# Altium PCB Minion.PcbDoc (part 7 of 10)
Units mm, origin at the board's own origin, x right, y up, seen from the top; angles counter-clockwise.
Board outline 250 x 250 mm, 4 copper layers (Top Layer, Mid-Top Layer, Mid-Bottom Layer, Bottom Layer); 557 components, 153 nets, 5229 pads, 7984 vias.
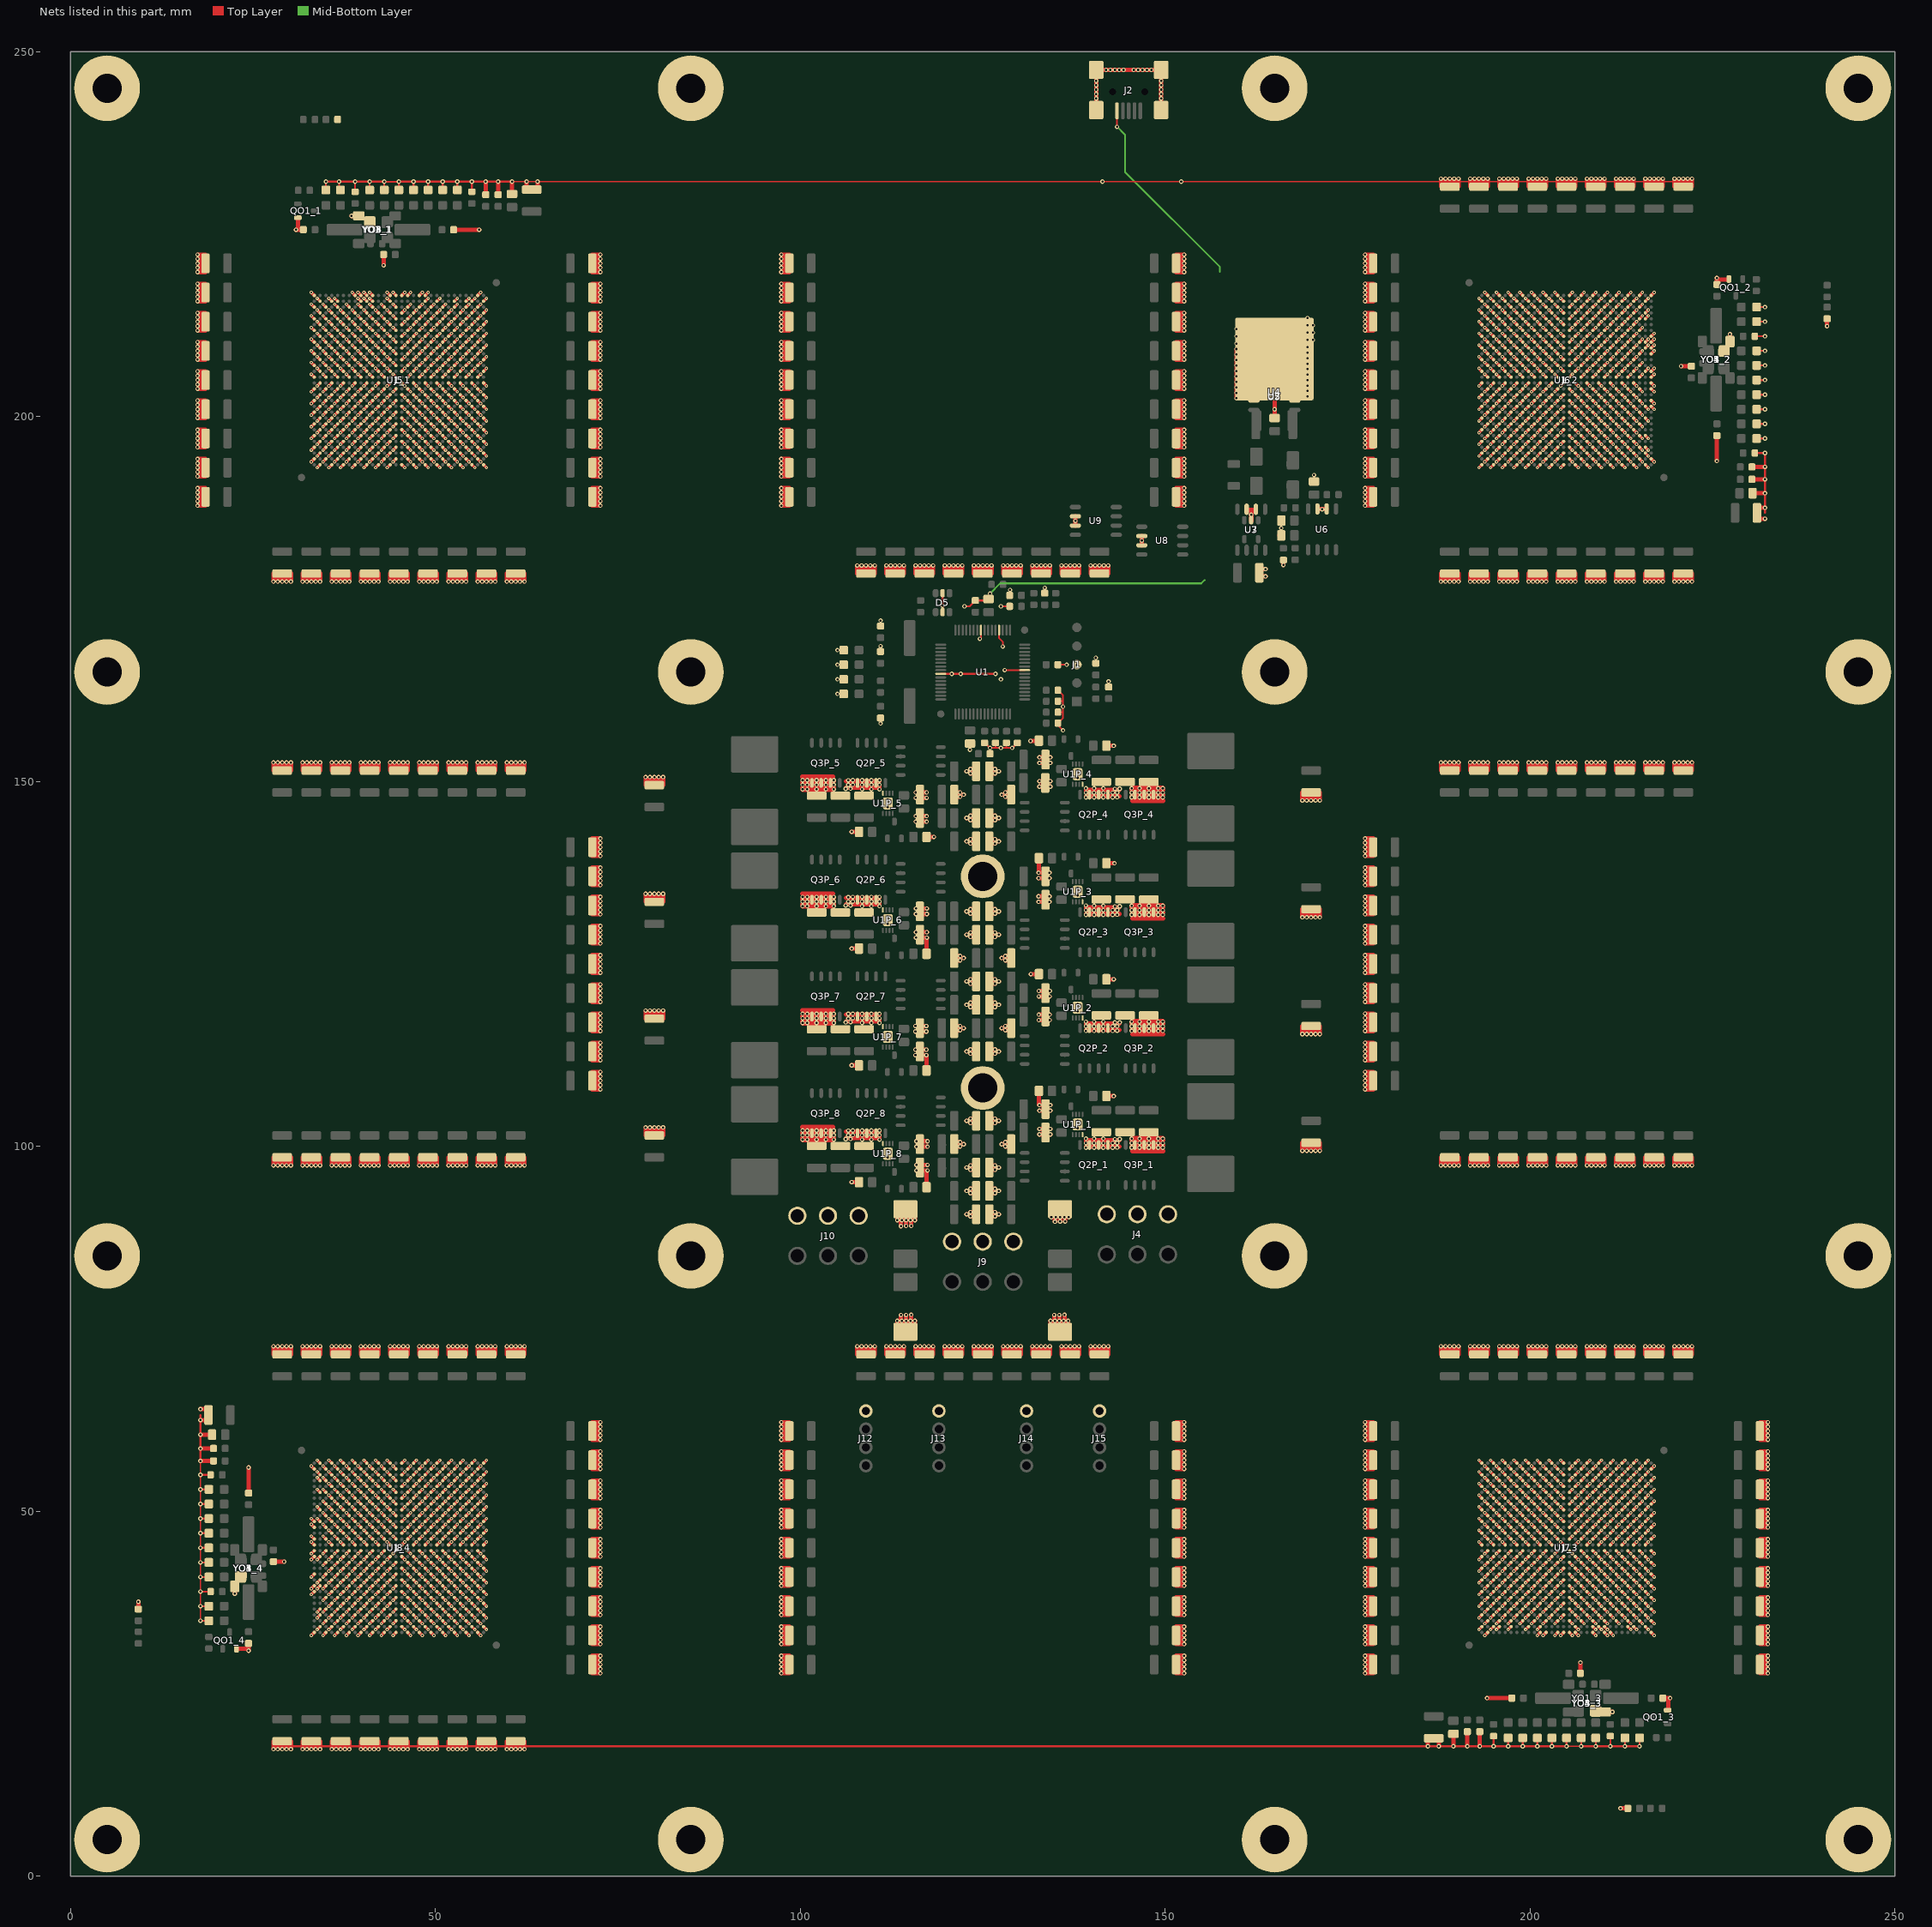
[diagram p9: the nets of this part, all layers, seen from the top]

## Via types
v1: diameter 0.6, hole 0.3, Top Layer to Bottom Layer, tented both sides, 4384 vias
v2: diameter 0.45, hole 0.2, Top Layer to Bottom Layer, tented both sides, 3600 vias

## Nets (pads, with @x,y where several pads share a name; then routed paths per layer and width w, separated by ;. In a path a pad name is that pad's centre, name@x,y a point inside that pad or via, vN(x,y) a via of type N, cw(c..) or ccw(c..) an arc to the next point about the centre after c; other vN are vias at no path point) (continued)
GND: (continued)
  Top Layer w0.6: CO8_4.2@9.3,36.6 v1(9.3,37.6) ; v1(17.4,187.8) CM_14.2@18.5,187.8 ; v1(17.4,188.4) CM_14.2@18.5,188.4 ; v1(17.4,189) CM_14.2@18.5,189 ; v1(17.4,189.6) CM_14.2@18.5,189.6 ; v1(17.4,190.2) CM_14.2@18.5,190.2 ; v1(17.4,191.8) CM_16.2@18.5,191.8 ; v1(17.4,192.4) CM_16.2@18.5,192.4 ; v1(17.4,193) CM_16.2@18.5,193 ; v1(17.4,193.6) CM_16.2@18.5,193.6 ; v1(17.4,194.2) CM_16.2@18.5,194.2 ; v1(17.4,195.8) CM_18.2@18.5,195.8 ; v1(17.4,196.4) CM_18.2@18.5,196.4 ; v1(17.4,197) CM_18.2@18.5,197 ; v1(17.4,197.6) CM_18.2@18.5,197.6 ; v1(17.4,198.2) CM_18.2@18.5,198.2 ; v1(17.4,199.8) CM_20.2@18.5,199.8 ; v1(17.4,200.4) CM_20.2@18.5,200.4 ; v1(17.4,201) CM_20.2@18.5,201 ; v1(17.4,201.6) CM_20.2@18.5,201.6 ; v1(17.4,202.2) CM_20.2@18.5,202.2 ; v1(17.4,203.8) CM_22.2@18.5,203.8 ; v1(17.4,204.4) CM_22.2@18.5,204.4 ; v1(17.4,205) CM_22.2@18.5,205 ; v1(17.4,205.6) CM_22.2@18.5,205.6 ; v1(17.4,206.2) CM_22.2@18.5,206.2 ; v1(17.4,207.8) CM_21.2@18.5,207.8 ; v1(17.4,208.4) CM_21.2@18.5,208.4 ; v1(17.4,209) CM_21.2@18.5,209 ; v1(17.4,209.6) CM_21.2@18.5,209.6 ; v1(17.4,210.2) CM_21.2@18.5,210.2 ; v1(17.4,211.8) CM_23.2@18.5,211.8 ; v1(17.4,212.4) CM_23.2@18.5,212.4 ; v1(17.4,213) CM_23.2@18.5,213 ; v1(17.4,213.6) CM_23.2@18.5,213.6 ; v1(17.4,214.2) CM_23.2@18.5,214.2 ; v1(17.4,215.8) CM_24.2@18.5,215.8 ; v1(17.4,216.4) CM_24.2@18.5,216.4 ; v1(17.4,217) CM_24.2@18.5,217 ; v1(17.4,217.6) CM_24.2@18.5,217.6 ; v1(17.4,218.2) CM_24.2@18.5,218.2 ; v1(17.4,219.8) CM_8.2@18.5,219.8 ; v1(17.4,220.4) CM_8.2@18.5,220.4 ; v1(17.4,221) CM_8.2@18.5,221 ; v1(17.4,221.6) CM_8.2@18.5,221.6 ; v1(17.4,222.2) CM_8.2@18.5,222.2 ; v1(17.8,56.9) CO1_4.2@19.6,56.9 ; v1(17.8,58.6) 17.801,58.601 CO2_4.2@19.6,58.601 ; v1(17.8,60.5) CO4_4.2@19.5,60.5 ; v1(17.8,62.5) CO3_4.2@18.9,62.5 ; v1(17.8,64) CO3_4.2@18.9,64 ; v1(22.5,38.7) YO1_4.2@22.5,39.7 ; QO1_4.2@22.75,31.15 24.15,31.15 v1(24.4,30.9) CO6_4.2@24.4,31.9 ; CO5_4.2@24.4,52.5 v1(24.4,56) ; v1(27.8,17.4) CM_97.2@27.8,18.5 ; CM_98.2@27.8,71.5 v1(27.8,72.6) ; v1(27.8,97.4) CF_79.2@27.8,98.5 ; CF_80.2@27.8,151.5 v1(27.8,152.6) ; v1(27.8,177.4) CM_10.2@27.8,178.5 ; CO7_4.2@28.275,43.1 v1(29.275,43.1) ; v1(28.4,17.4) CM_97.2@28.4,18.5 ; CM_98.2@28.4,71.5 v1(28.4,72.6) ; v1(28.4,97.4) CF_79.2@28.4,98.5 ; CF_80.2@28.4,151.5 v1(28.4,152.6) ; v1(28.4,177.4) CM_10.2@28.4,178.5 ; v1(29,17.4) CM_97.2@29,18.5 ; CM_98.2@29,71.5 v1(29,72.6) ; v1(29,97.4) CF_79.2@29,98.5 ; CF_80.2@29,151.5 v1(29,152.6) ; v1(29,177.4) CM_10.2@29,178.5 ; v1(29.6,17.4) CM_97.2@29.6,18.5 ; CM_98.2@29.6,71.5 v1(29.6,72.6) ; v1(29.6,97.4) CF_79.2@29.6,98.5 ; CF_80.2@29.6,151.5 v1(29.6,152.6) ; v1(29.6,177.4) CM_10.2@29.6,178.5 ; v1(30.2,17.4) CM_97.2@30.2,18.5 ; CM_98.2@30.2,71.5 v1(30.2,72.6) ; v1(30.2,97.4) CF_79.2@30.2,98.5 ; CF_80.2@30.2,151.5 v1(30.2,152.6) ; v1(30.2,177.4) CM_10.2@30.2,178.5 ; QO1_1.2@31.15,227.25 31.15,225.85 v1(30.9,225.6) CO6_1.2@31.9,225.6 ; v1(31.8,17.4) CM_5.2@31.8,18.5 ; CM_85.2@31.8,71.5 v1(31.8,72.6) ; v1(31.8,97.4) CF_108.2@31.8,98.5 ; CF_112.2@31.8,151.5 v1(31.8,152.6) ; v1(31.8,177.4) CM_109.2@31.8,178.5 ; v1(32.4,17.4) CM_5.2@32.4,18.5 ; CM_85.2@32.4,71.5 v1(32.4,72.6) ; v1(32.4,97.4) CF_108.2@32.4,98.5 ; CF_112.2@32.4,151.5 v1(32.4,152.6) ; v1(32.4,177.4) CM_109.2@32.4,178.5 ; v1(33,17.4) CM_5.2@33,18.5 ; CM_85.2@33,71.5 v1(33,72.6) ; v1(33,97.4) CF_108.2@33,98.5 ; CF_112.2@33,151.5 v1(33,152.6) ; v1(33,177.4) CM_109.2@33,178.5 ; v1(33.6,17.4) CM_5.2@33.6,18.5 ; CM_85.2@33.6,71.5 v1(33.6,72.6) ; v1(33.6,97.4) CF_108.2@33.6,98.5 ; CF_112.2@33.6,151.5 v1(33.6,152.6) ; v1(33.6,177.4) CM_109.2@33.6,178.5 ; v1(34.2,17.4) CM_5.2@34.2,18.5 ; CM_85.2@34.2,71.5 v1(34.2,72.6) ; v1(34.2,97.4) CF_108.2@34.2,98.5 ; CF_112.2@34.2,151.5 v1(34.2,152.6) ; v1(34.2,177.4) CM_109.2@34.2,178.5 ; v1(35.8,17.4) CM_103.2@35.8,18.5 ; CM_86.2@35.8,71.5 v1(35.8,72.6) ; v1(35.8,97.4) CF_106.2@35.8,98.5 ; CF_73.2@35.8,151.5 v1(35.8,152.6) ; v1(35.8,177.4) CM_108.2@35.8,178.5 ; v1(36.4,17.4) CM_103.2@36.4,18.5 ; CM_86.2@36.4,71.5 v1(36.4,72.6) ; v1(36.4,97.4) CF_106.2@36.4,98.5 ; CF_73.2@36.4,151.5 v1(36.4,152.6) ; v1(36.4,177.4) CM_108.2@36.4,178.5 ; v1(37,17.4) CM_103.2@37,18.5 ; CM_86.2@37,71.5 v1(37,72.6) ; v1(37,97.4) CF_106.2@37,98.5 ; CF_73.2@37,151.5 v1(37,152.6) ; v1(37,177.4) CM_108.2@37,178.5 ; v1(37.6,17.4) CM_103.2@37.6,18.5 ; CM_86.2@37.6,71.5 v1(37.6,72.6) ; v1(37.6,97.4) CF_106.2@37.6,98.5 ; CF_73.2@37.6,151.5 v1(37.6,152.6) ; v1(37.6,177.4) CM_108.2@37.6,178.5 ; v1(38.2,17.4) CM_103.2@38.2,18.5 ; CM_86.2@38.2,71.5 v1(38.2,72.6) ; v1(38.2,97.4) CF_106.2@38.2,98.5 ; CF_73.2@38.2,151.5 v1(38.2,152.6) ; v1(38.2,177.4) CM_108.2@38.2,178.5 ; v1(38.5,227.5) YO1_1.2@39.5,227.5 ; v1(39.8,17.4) CM_102.2@39.8,18.5 ; CM_87.2@39.8,71.5 v1(39.8,72.6) ; v1(39.8,97.4) CF_95.2@39.8,98.5 ; CF_71.2@39.8,151.5 v1(39.8,152.6) ; v1(39.8,177.4) CM_3.2@39.8,178.5 ; v1(40.4,17.4) CM_102.2@40.4,18.5 ; CM_87.2@40.4,71.5 v1(40.4,72.6) ; v1(40.4,97.4) CF_95.2@40.4,98.5 ; CF_71.2@40.4,151.5 v1(40.4,152.6) ; v1(40.4,177.4) CM_3.2@40.4,178.5 ; v1(41,17.4) CM_102.2@41,18.5 ; CM_87.2@41,71.5 v1(41,72.6) ; v1(41,97.4) CF_95.2@41,98.5 ; CF_71.2@41,151.5 v1(41,152.6) ; v1(41,177.4) CM_3.2@41,178.5 ; v1(41.6,17.4) CM_102.2@41.6,18.5 ; CM_87.2@41.6,71.5 v1(41.6,72.6) ; v1(41.6,97.4) CF_95.2@41.6,98.5 ; CF_71.2@41.6,151.5 v1(41.6,152.6) ; v1(41.6,177.4) CM_3.2@41.6,178.5 ; v1(42.2,17.4) CM_102.2@42.2,18.5 ; CM_87.2@42.2,71.5 v1(42.2,72.6) ; v1(42.2,97.4) CF_95.2@42.2,98.5 ; CF_71.2@42.2,151.5 v1(42.2,152.6) ; v1(42.2,177.4) CM_3.2@42.2,178.5 ; v1(42.9,220.725) CO7_1.2@42.9,221.725 ; v1(43.8,17.4) CM_101.2@43.8,18.5 ; CM_88.2@43.8,71.5 v1(43.8,72.6) ; v1(43.8,97.4) CF_72.2@43.8,98.5 ; CF_65.2@43.8,151.5 v1(43.8,152.6) ; v1(43.8,177.4) CM_107.2@43.8,178.5 ; v1(44.4,17.4) CM_101.2@44.4,18.5 ; CM_88.2@44.4,71.5 v1(44.4,72.6) ; v1(44.4,97.4) CF_72.2@44.4,98.5 ; CF_65.2@44.4,151.5 v1(44.4,152.6) ; v1(44.4,177.4) CM_107.2@44.4,178.5 ; v1(45,17.4) CM_101.2@45,18.5 ; CM_88.2@45,71.5 v1(45,72.6) ; v1(45,97.4) CF_72.2@45,98.5 ; CF_65.2@45,151.5 v1(45,152.6) ; v1(45,177.4) CM_107.2@45,178.5 ; v1(45.6,17.4) CM_101.2@45.6,18.5 ; CM_88.2@45.6,71.5 v1(45.6,72.6) ; v1(45.6,97.4) CF_72.2@45.6,98.5 ; CF_65.2@45.6,151.5 v1(45.6,152.6) ; v1(45.6,177.4) CM_107.2@45.6,178.5 ; v1(46.2,17.4) CM_101.2@46.2,18.5 ; CM_88.2@46.2,71.5 v1(46.2,72.6) ; v1(46.2,97.4) CF_72.2@46.2,98.5 ; CF_65.2@46.2,151.5 v1(46.2,152.6) ; v1(46.2,177.4) CM_107.2@46.2,178.5 ; v1(47.8,17.4) CM_100.2@47.8,18.5 ; CM_90.2@47.8,71.5 v1(47.8,72.6) ; v1(47.8,97.4) CF_68.2@47.8,98.5 ; CF_22.2@47.8,151.5 v1(47.8,152.6) ; v1(47.8,177.4) CM_106.2@47.8,178.5 ; v1(48.4,17.4) CM_100.2@48.4,18.5 ; CM_90.2@48.4,71.5 v1(48.4,72.6) ; v1(48.4,97.4) CF_68.2@48.4,98.5 ; CF_22.2@48.4,151.5 v1(48.4,152.6) ; v1(48.4,177.4) CM_106.2@48.4,178.5 ; v1(49,17.4) CM_100.2@49,18.5 ; CM_90.2@49,71.5 v1(49,72.6) ; v1(49,97.4) CF_68.2@49,98.5 ; CF_22.2@49,151.5 v1(49,152.6) ; v1(49,177.4) CM_106.2@49,178.5 ; v1(49.6,17.4) CM_100.2@49.6,18.5 ; CM_90.2@49.6,71.5 v1(49.6,72.6) ; v1(49.6,97.4) CF_68.2@49.6,98.5 ; CF_22.2@49.6,151.5 v1(49.6,152.6) ; v1(49.6,177.4) CM_106.2@49.6,178.5 ; v1(50.2,17.4) CM_100.2@50.2,18.5 ; CM_90.2@50.2,71.5 v1(50.2,72.6) ; v1(50.2,97.4) CF_68.2@50.2,98.5 ; CF_22.2@50.2,151.5 v1(50.2,152.6) ; v1(50.2,177.4) CM_106.2@50.2,178.5 ; v1(51.8,17.4) CM_9.2@51.8,18.5 ; CM_89.2@51.8,71.5 v1(51.8,72.6) ; v1(51.8,97.4) CF_67.2@51.8,98.5 ; CF_48.2@51.8,151.5 v1(51.8,152.6) ; v1(51.8,177.4) CM_105.2@51.8,178.5 ; v1(52.4,17.4) CM_9.2@52.4,18.5 ; CM_89.2@52.4,71.5 v1(52.4,72.6) ; v1(52.4,97.4) CF_67.2@52.4,98.5 ; CF_48.2@52.4,151.5 v1(52.4,152.6) ; v1(52.4,177.4) CM_105.2@52.4,178.5 ; CO5_1.2@52.5,225.6 v1(56,225.6) ; v1(53,17.4) CM_9.2@53,18.5 ; CM_89.2@53,71.5 v1(53,72.6) ; v1(53,97.4) CF_67.2@53,98.5 ; CF_48.2@53,151.5 v1(53,152.6) ; v1(53,177.4) CM_105.2@53,178.5 ; v1(53.6,17.4) CM_9.2@53.6,18.5 ; CM_89.2@53.6,71.5 v1(53.6,72.6) ; v1(53.6,97.4) CF_67.2@53.6,98.5 ; CF_48.2@53.6,151.5 v1(53.6,152.6) ; v1(53.6,177.4) CM_105.2@53.6,178.5 ; v1(54.2,17.4) CM_9.2@54.2,18.5 ; CM_89.2@54.2,71.5 v1(54.2,72.6) ; v1(54.2,97.4) CF_67.2@54.2,98.5 ; CF_48.2@54.2,151.5 v1(54.2,152.6) ; v1(54.2,177.4) CM_105.2@54.2,178.5 ; v1(55.8,17.4) CM_99.2@55.8,18.5 ; CM_91.2@55.8,71.5 v1(55.8,72.6) ; v1(55.8,97.4) CF_35.2@55.8,98.5 ; CF_52.2@55.8,151.5 v1(55.8,152.6) ; v1(55.8,177.4) CM_104.2@55.8,178.5 ; v1(56.4,17.4) CM_99.2@56.4,18.5 ; CM_91.2@56.4,71.5 v1(56.4,72.6) ; v1(56.4,97.4) CF_35.2@56.4,98.5 ; CF_52.2@56.4,151.5 v1(56.4,152.6) ; v1(56.4,177.4) CM_104.2@56.4,178.5 ; CO1_1.2@56.9,230.4 v1(56.9,232.2) ; v1(57,17.4) CM_99.2@57,18.5 ; CM_91.2@57,71.5 v1(57,72.6) ; v1(57,97.4) CF_35.2@57,98.5 ; CF_52.2@57,151.5 v1(57,152.6) ; v1(57,177.4) CM_104.2@57,178.5 ; v1(57.6,17.4) CM_99.2@57.6,18.5 ; CM_91.2@57.6,71.5 v1(57.6,72.6) ; v1(57.6,97.4) CF_35.2@57.6,98.5 ; CF_52.2@57.6,151.5 v1(57.6,152.6) ; v1(57.6,177.4) CM_104.2@57.6,178.5 ; v1(58.2,17.4) CM_99.2@58.2,18.5 ; CM_91.2@58.2,71.5 v1(58.2,72.6) ; v1(58.2,97.4) CF_35.2@58.2,98.5 ; CF_52.2@58.2,151.5 v1(58.2,152.6) ; v1(58.2,177.4) CM_104.2@58.2,178.5 ; v1(58.6,232.2) 58.601,232.199 CO2_1.2@58.601,230.4 ; v1(59.8,17.4) CM_93.2@59.8,18.5 ; CM_96.2@59.8,71.5 v1(59.8,72.6) ; v1(59.8,97.4) CF_76.2@59.8,98.5 ; CF_78.2@59.8,151.5 v1(59.8,152.6) ; v1(59.8,177.4) CM_12.2@59.8,178.5 ; v1(60.4,17.4) CM_93.2@60.4,18.5 ; CM_96.2@60.4,71.5 v1(60.4,72.6) ; v1(60.4,97.4) CF_76.2@60.4,98.5 ; CF_78.2@60.4,151.5 v1(60.4,152.6) ; v1(60.4,177.4) CM_12.2@60.4,178.5 ; CO4_1.2@60.5,230.5 v1(60.5,232.2) ; v1(61,17.4) CM_93.2@61,18.5 ; CM_96.2@61,71.5 v1(61,72.6) ; v1(61,97.4) CF_76.2@61,98.5 ; CF_78.2@61,151.5 v1(61,152.6) ; v1(61,177.4) CM_12.2@61,178.5 ; v1(61.6,17.4) CM_93.2@61.6,18.5 ; CM_96.2@61.6,71.5 v1(61.6,72.6) ; v1(61.6,97.4) CF_76.2@61.6,98.5 ; CF_78.2@61.6,151.5 v1(61.6,152.6) ; v1(61.6,177.4) CM_12.2@61.6,178.5 ; v1(62.2,17.4) CM_93.2@62.2,18.5 ; CM_96.2@62.2,71.5 v1(62.2,72.6) ; v1(62.2,97.4) CF_76.2@62.2,98.5 ; CF_78.2@62.2,151.5 v1(62.2,152.6) ; v1(62.2,177.4) CM_12.2@62.2,178.5 ; CO3_1.2@62.5,231.1 v1(62.5,232.2) ; CO3_1.2@64,231.1 v1(64,232.2) ; CM_95.2@71.5,27.8 v1(72.6,27.8) ; CM_95.2@71.5,28.4 v1(72.6,28.4) ; CM_95.2@71.5,29 v1(72.6,29) ; CM_95.2@71.5,29.6 v1(72.6,29.6) ; CM_95.2@71.5,30.2 v1(72.6,30.2) ; CM_11.2@71.5,31.8 v1(72.6,31.8) ; CM_11.2@71.5,32.4 v1(72.6,32.4) ; CM_11.2@71.5,33 v1(72.6,33) ; CM_11.2@71.5,33.6 v1(72.6,33.6) ; CM_11.2@71.5,34.2 v1(72.6,34.2) ; CM_84.2@71.5,35.8 v1(72.6,35.8) ; CM_84.2@71.5,36.4 v1(72.6,36.4) ; CM_84.2@71.5,37 v1(72.6,37) ; CM_84.2@71.5,37.6 v1(72.6,37.6) ; CM_84.2@71.5,38.2 v1(72.6,38.2) ; CM_83.2@71.5,39.8 v1(72.6,39.8) ; CM_83.2@71.5,40.4 v1(72.6,40.4) ; CM_83.2@71.5,41 v1(72.6,41) ; CM_83.2@71.5,41.6 v1(72.6,41.6) ; CM_83.2@71.5,42.2 v1(72.6,42.2) ; CM_82.2@71.5,43.8 v1(72.6,43.8) ; CM_82.2@71.5,44.4 v1(72.6,44.4) ; CM_82.2@71.5,45 v1(72.6,45) ; CM_82.2@71.5,45.6 v1(72.6,45.6) ; CM_82.2@71.5,46.2 v1(72.6,46.2) ; CM_80.2@71.5,47.8 v1(72.6,47.8) ; CM_80.2@71.5,48.4 v1(72.6,48.4) ; CM_80.2@71.5,49 v1(72.6,49) ; CM_80.2@71.5,49.6 v1(72.6,49.6) ; CM_80.2@71.5,50.2 v1(72.6,50.2) ; CM_81.2@71.5,51.8 v1(72.6,51.8) ; CM_81.2@71.5,52.4 v1(72.6,52.4) ; CM_81.2@71.5,53 v1(72.6,53) ; CM_81.2@71.5,53.6 v1(72.6,53.6) ; CM_81.2@71.5,54.2 v1(72.6,54.2) ; CM_79.2@71.5,55.8 v1(72.6,55.8) ; CM_79.2@71.5,56.4 v1(72.6,56.4) ; CM_79.2@71.5,57 v1(72.6,57) ; CM_79.2@71.5,57.6 v1(72.6,57.6) ; CM_79.2@71.5,58.2 v1(72.6,58.2) ; CM_94.2@71.5,59.8 v1(72.6,59.8) ; CM_94.2@71.5,60.4 v1(72.6,60.4) ; CM_94.2@71.5,61 v1(72.6,61) ; CM_94.2@71.5,61.6 v1(72.6,61.6) ; CM_94.2@71.5,62.2 v1(72.6,62.2) ; CF_75.2@71.5,107.8 v1(72.6,107.8) ; CF_75.2@71.5,108.4 v1(72.6,108.4) ; CF_75.2@71.5,109 v1(72.6,109) ; CF_75.2@71.5,109.6 v1(72.6,109.6) ; CF_75.2@71.5,110.2 v1(72.6,110.2) ; CF_24.2@71.5,111.8 v1(72.6,111.8) ; CF_24.2@71.5,112.4 v1(72.6,112.4) ; CF_24.2@71.5,113 v1(72.6,113) ; CF_24.2@71.5,113.6 v1(72.6,113.6) ; CF_24.2@71.5,114.2 v1(72.6,114.2) ; CF_23.2@71.5,115.8 v1(72.6,115.8) ; CF_23.2@71.5,116.4 v1(72.6,116.4) ; CF_23.2@71.5,117 v1(72.6,117) ; CF_23.2@71.5,117.6 v1(72.6,117.6) ; CF_23.2@71.5,118.2 v1(72.6,118.2) ; CF_21.2@71.5,119.8 v1(72.6,119.8) ; CF_21.2@71.5,120.4 v1(72.6,120.4) ; CF_21.2@71.5,121 v1(72.6,121) ; CF_21.2@71.5,121.6 v1(72.6,121.6) ; CF_21.2@71.5,122.2 v1(72.6,122.2) ; CF_20.2@71.5,123.8 v1(72.6,123.8) ; CF_20.2@71.5,124.4 v1(72.6,124.4) ; CF_20.2@71.5,125 v1(72.6,125) ; CF_20.2@71.5,125.6 v1(72.6,125.6) ; CF_20.2@71.5,126.2 v1(72.6,126.2) ; CF_11.2@71.5,127.8 v1(72.6,127.8) ; CF_11.2@71.5,128.4 v1(72.6,128.4) ; CF_11.2@71.5,129 v1(72.6,129) ; CF_11.2@71.5,129.6 v1(72.6,129.6) ; CF_11.2@71.5,130.2 v1(72.6,130.2) ; CF_70.2@71.5,131.8 v1(72.6,131.8) ; CF_70.2@71.5,132.4 v1(72.6,132.4) ; CF_70.2@71.5,133 v1(72.6,133) ; CF_70.2@71.5,133.6 v1(72.6,133.6) ; CF_70.2@71.5,134.2 v1(72.6,134.2) ; CF_69.2@71.5,135.8 v1(72.6,135.8) ; CF_69.2@71.5,136.4 v1(72.6,136.4) ; CF_69.2@71.5,137 v1(72.6,137) ; CF_69.2@71.5,137.6 v1(72.6,137.6) ; CF_69.2@71.5,138.2 v1(72.6,138.2) ; CF_77.2@71.5,139.8 v1(72.6,139.8) ; CF_77.2@71.5,140.4 v1(72.6,140.4) ; CF_77.2@71.5,141 v1(72.6,141) ; CF_77.2@71.5,141.6 v1(72.6,141.6) ; CF_77.2@71.5,142.2 v1(72.6,142.2) ; CM_15.2@71.5,187.8 v1(72.6,187.8) ; CM_15.2@71.5,188.4 v1(72.6,188.4) ; CM_15.2@71.5,189 v1(72.6,189) ; CM_15.2@71.5,189.6 v1(72.6,189.6) ; CM_15.2@71.5,190.2 v1(72.6,190.2) ; CM_6.2@71.5,191.8 v1(72.6,191.8) ; CM_6.2@71.5,192.4 v1(72.6,192.4) ; CM_6.2@71.5,193 v1(72.6,193) ; CM_6.2@71.5,193.6 v1(72.6,193.6) ; CM_6.2@71.5,194.2 v1(72.6,194.2) ; CM_4.2@71.5,195.8 v1(72.6,195.8) ; CM_4.2@71.5,196.4 v1(72.6,196.4) ; CM_4.2@71.5,197 v1(72.6,197) ; CM_4.2@71.5,197.6 v1(72.6,197.6) ; CM_4.2@71.5,198.2 v1(72.6,198.2) ; CM_2.2@71.5,199.8 v1(72.6,199.8) ; CM_2.2@71.5,200.4 v1(72.6,200.4) ; CM_2.2@71.5,201 v1(72.6,201) ; CM_2.2@71.5,201.6 v1(72.6,201.6) ; CM_2.2@71.5,202.2 v1(72.6,202.2) ; CM_112.2@71.5,203.8 v1(72.6,203.8) ; CM_112.2@71.5,204.4 v1(72.6,204.4) ; CM_112.2@71.5,205 v1(72.6,205) ; CM_112.2@71.5,205.6 v1(72.6,205.6) ; CM_112.2@71.5,206.2 v1(72.6,206.2) ; CM_1.2@71.5,207.8 v1(72.6,207.8) ; CM_1.2@71.5,208.4 v1(72.6,208.4) ; CM_1.2@71.5,209 v1(72.6,209) ; CM_1.2@71.5,209.6 v1(72.6,209.6) ; CM_1.2@71.5,210.2 v1(72.6,210.2) ; CM_111.2@71.5,211.8 v1(72.6,211.8) ; CM_111.2@71.5,212.4 v1(72.6,212.4) ; CM_111.2@71.5,213 v1(72.6,213) ; CM_111.2@71.5,213.6 v1(72.6,213.6) ; CM_111.2@71.5,214.2 v1(72.6,214.2) ; CM_110.2@71.5,215.8 v1(72.6,215.8) ; CM_110.2@71.5,216.4 v1(72.6,216.4) ; CM_110.2@71.5,217 v1(72.6,217) ; CM_110.2@71.5,217.6 v1(72.6,217.6) ; CM_110.2@71.5,218.2 v1(72.6,218.2) ; CM_13.2@71.5,219.8 v1(72.6,219.8) ; CM_13.2@71.5,220.4 v1(72.6,220.4) ; CM_13.2@71.5,221 v1(72.6,221) ; CM_13.2@71.5,221.6 v1(72.6,221.6) ; CM_13.2@71.5,222.2 v1(72.6,222.2) ; CM_92.2@78.8,101.5 v1(78.8,102.6) ; CF_74.2@78.8,117.5 v1(78.8,118.6) ; CF_104.2@78.8,133.5 v1(78.8,134.6) ; CM_7.2@78.8,149.5 v1(78.8,150.6) ; CM_92.2@79.4,101.5 v1(79.4,102.6) ; CF_74.2@79.4,117.5 v1(79.4,118.6) ; CF_104.2@79.4,133.5 v1(79.4,134.6) ; CM_7.2@79.4,149.5 v1(79.4,150.6) ; CM_92.2@80,101.5 v1(80,102.6) ; CF_74.2@80,117.5 v1(80,118.6) ; CF_104.2@80,133.5 v1(80,134.6) ; CM_7.2@80,149.5 v1(80,150.6) ; CM_92.2@80.6,101.5 v1(80.6,102.6) ; CF_74.2@80.6,117.5 v1(80.6,118.6) ; CF_104.2@80.6,133.5 v1(80.6,134.6) ; CM_7.2@80.6,149.5 v1(80.6,150.6) ; CM_92.2@81.2,101.5 v1(81.2,102.6) ; CF_74.2@81.2,117.5 v1(81.2,118.6) ; CF_104.2@81.2,133.5 v1(81.2,134.6) ; CM_7.2@81.2,149.5 v1(81.2,150.6) ; v1(97.4,27.8) CF_32.2@98.5,27.8 ; v1(97.4,28.4) CF_32.2@98.5,28.4 ; v1(97.4,29) CF_32.2@98.5,29 ; v1(97.4,29.6) CF_32.2@98.5,29.6 ; v1(97.4,30.2) CF_32.2@98.5,30.2 ; v1(97.4,31.8) CF_3.2@98.5,31.8 ; v1(97.4,32.4) CF_3.2@98.5,32.4 ; v1(97.4,33) CF_3.2@98.5,33 ; v1(97.4,33.6) CF_3.2@98.5,33.6 ; v1(97.4,34.2) CF_3.2@98.5,34.2 ; v1(97.4,35.8) CF_2.2@98.5,35.8 ; v1(97.4,36.4) CF_2.2@98.5,36.4 ; v1(97.4,37) CF_2.2@98.5,37 ; v1(97.4,37.6) CF_2.2@98.5,37.6 ; v1(97.4,38.2) CF_2.2@98.5,38.2 ; v1(97.4,39.8) CF_1.2@98.5,39.8 ; v1(97.4,40.4) CF_1.2@98.5,40.4 ; v1(97.4,41) CF_1.2@98.5,41 ; v1(97.4,41.6) CF_1.2@98.5,41.6 ; v1(97.4,42.2) CF_1.2@98.5,42.2 ; v1(97.4,43.8) CF_26.2@98.5,43.8 ; v1(97.4,44.4) CF_26.2@98.5,44.4 ; v1(97.4,45) CF_26.2@98.5,45 ; v1(97.4,45.6) CF_26.2@98.5,45.6 ; v1(97.4,46.2) CF_26.2@98.5,46.2 ; v1(97.4,47.8) CF_27.2@98.5,47.8 ; v1(97.4,48.4) CF_27.2@98.5,48.4 ; v1(97.4,49) CF_27.2@98.5,49 ; v1(97.4,49.6) CF_27.2@98.5,49.6 ; v1(97.4,50.2) CF_27.2@98.5,50.2 ; v1(97.4,51.8) CF_28.2@98.5,51.8 ; v1(97.4,52.4) CF_28.2@98.5,52.4 ; v1(97.4,53) CF_28.2@98.5,53 ; v1(97.4,53.6) CF_28.2@98.5,53.6 ; v1(97.4,54.2) CF_28.2@98.5,54.2 ; v1(97.4,55.8) CF_4.2@98.5,55.8 ; v1(97.4,56.4) CF_4.2@98.5,56.4 ; v1(97.4,57) CF_4.2@98.5,57 ; v1(97.4,57.6) CF_4.2@98.5,57.6 ; v1(97.4,58.2) CF_4.2@98.5,58.2 ; v1(97.4,59.8) CF_31.2@98.5,59.8 ; v1(97.4,60.4) CF_31.2@98.5,60.4 ; v1(97.4,61) CF_31.2@98.5,61 ; v1(97.4,61.6) CF_31.2@98.5,61.6 ; v1(97.4,62.2) CF_31.2@98.5,62.2 ; v1(97.4,187.8) CF_109.2@98.5,187.8 ; v1(97.4,188.4) CF_109.2@98.5,188.4 ; v1(97.4,189) CF_109.2@98.5,189 ; v1(97.4,189.6) CF_109.2@98.5,189.6 ; v1(97.4,190.2) CF_109.2@98.5,190.2 ; v1(97.4,191.8) CF_96.2@98.5,191.8 ; v1(97.4,192.4) CF_96.2@98.5,192.4 ; v1(97.4,193) CF_96.2@98.5,193 ; v1(97.4,193.6) CF_96.2@98.5,193.6 ; v1(97.4,194.2) CF_96.2@98.5,194.2 ; v1(97.4,195.8) CF_97.2@98.5,195.8 ; v1(97.4,196.4) CF_97.2@98.5,196.4 ; v1(97.4,197) CF_97.2@98.5,197 ; v1(97.4,197.6) CF_97.2@98.5,197.6 ; v1(97.4,198.2) CF_97.2@98.5,198.2 ; v1(97.4,199.8) CF_98.2@98.5,199.8 ; v1(97.4,200.4) CF_98.2@98.5,200.4 ; v1(97.4,201) CF_98.2@98.5,201 ; v1(97.4,201.6) CF_98.2@98.5,201.6 ; v1(97.4,202.2) CF_98.2@98.5,202.2 ; v1(97.4,203.8) CF_99.2@98.5,203.8 ; v1(97.4,204.4) CF_99.2@98.5,204.4 ; v1(97.4,205) CF_99.2@98.5,205 ; v1(97.4,205.6) CF_99.2@98.5,205.6 ; v1(97.4,206.2) CF_99.2@98.5,206.2 ; v1(97.4,207.8) CF_100.2@98.5,207.8 ; v1(97.4,208.4) CF_100.2@98.5,208.4 ; v1(97.4,209) CF_100.2@98.5,209 ; v1(97.4,209.6) CF_100.2@98.5,209.6 ; v1(97.4,210.2) CF_100.2@98.5,210.2 ; v1(97.4,211.8) CF_101.2@98.5,211.8 ; v1(97.4,212.4) CF_101.2@98.5,212.4 ; v1(97.4,213) CF_101.2@98.5,213 ; v1(97.4,213.6) CF_101.2@98.5,213.6 ; v1(97.4,214.2) CF_101.2@98.5,214.2 ; v1(97.4,215.8) CF_102.2@98.5,215.8 ; v1(97.4,216.4) CF_102.2@98.5,216.4 ; v1(97.4,217) CF_102.2@98.5,217 ; v1(97.4,217.6) CF_102.2@98.5,217.6 ; v1(97.4,218.2) CF_102.2@98.5,218.2 ; v1(97.4,219.8) CF_111.2@98.5,219.8 ; v1(97.4,220.4) CF_111.2@98.5,220.4 ; v1(97.4,221) CF_111.2@98.5,221 ; v1(97.4,221.6) CF_111.2@98.5,221.6 ; v1(97.4,222.2) CF_111.2@98.5,222.2 ; v1@100.25,101.145 104.598,101.145 104.605,101.138 v1@104.605,100.975 ; 100.25,101.85 104.5,101.85 ; 100.25,102.65 104.5,102.65 ; v1@100.25,117.145 104.598,117.145 104.605,117.138 v1@104.605,116.975 ; 100.25,117.85 104.5,117.85 ; 100.25,118.65 104.5,118.65 ; v1@100.25,133.145 104.598,133.145 104.605,133.138 v1@104.605,132.975 ; 100.25,133.85 104.5,133.85 ; 100.25,134.65 104.5,134.65 ; v1@100.25,149.145 104.598,149.145 104.605,149.138 v1@104.605,148.975 ; 100.25,149.85 104.5,149.85 ; 100.25,150.65 104.5,150.65 ; v1@100.325,100.85 v1@104.5,100.85 ; v1@100.325,116.85 v1@104.5,116.85 ; v1@100.325,132.85 v1@104.5,132.85 ; v1@100.325,148.85 v1@104.5,148.85 ; v1@100.5,102.05 v1@104.598,102.05 ; v1@100.5,118.05 v1@104.598,118.05 ; v1@100.5,134.05 v1@104.598,134.05 ; v1@100.5,150.05 v1@104.598,150.05 ; v1@106.25,101.145 v1@110.843,101.145 ; 106.25,102.05 v1@110.843,102.05 ; v1@106.25,117.145 v1@110.843,117.145 ; 106.25,118.05 v1@110.843,118.05 ; v1@106.25,133.145 v1@110.843,133.145 ; 106.25,134.05 v1@110.843,134.05 ; v1@106.25,149.145 v1@110.843,149.145 ; 106.25,150.05 v1@110.843,150.05 ; v1(107.05,95.1) C2P_8.2@108.05,95.1 ; v1(107.05,111.1) C2P_7.2@108.05,111.1 ; v1(107.05,127.1) C2P_6.2@108.05,127.1 ; v1(107.05,143.1) C2P_5.2@108.05,143.1 ; CF_30.2@107.8,71.5 v1(107.8,72.6) ; CF_103.2@107.8,178.5 v1(107.8,179.6) ; CF_30.2@108.4,71.5 v1(108.4,72.6) ; CF_103.2@108.4,178.5 v1(108.4,179.6) ; CF_30.2@109,71.5 v1(109,72.6) ; CF_103.2@109,178.5 v1(109,179.6) ; CF_30.2@109.6,71.5 v1(109.6,72.6) 